# KiCad board oibus-mini-CCC_PANEL.kicad_pcb (continued)
## Routing (per net, layer and track width the routed paths; a pad name or vN(x,y) marks a point on that pad's centre or on a via; arc(x,y) is an arc through that point) (continued)
  Bottom w0.2: v2(59.2,27.81) 58.6,27.21 58.6,25.47 58.68,25.39 58.68,23.97 v2(58.98,23.67) ; v2(96.2,27.81) 95.6,27.21 95.6,25.47 95.68,25.39 95.68,23.97 v2(95.98,23.67) ; v2(133.2,27.81) 132.6,27.21 132.6,25.47 132.68,25.39 132.68,23.97 v2(132.98,23.67) ; v2(169.98,23.67) 169.68,23.97 169.68,25.39 169.6,25.47 169.6,27.21 v2(170.2,27.81) ; v2(207.2,27.81) 206.6,27.21 206.6,25.47 206.68,25.39 206.68,23.97 v2(206.98,23.67) ; v2(243.98,23.67) 243.68,23.97 243.68,25.39 243.6,25.47 243.6,27.21 v2(244.2,27.81) ; v2(281.2,27.81) 280.6,27.21 280.6,25.47 280.68,25.39 280.68,23.97 v2(280.98,23.67) ; v2(22.2,93.81) 21.6,93.21 21.6,91.47 21.68,91.39 21.68,89.97 v2(21.98,89.67) ; v2(59.2,93.81) 58.6,93.21 58.6,91.47 58.68,91.39 58.68,89.97 v2(58.98,89.67) ; v2(95.98,89.67) 95.68,89.97 95.68,91.39 95.6,91.47 95.6,93.21 v2(96.2,93.81) ; v2(133.2,93.81) 132.6,93.21 132.6,91.47 132.68,91.39 132.68,89.97 v2(132.98,89.67) ; v2(169.98,89.67) 169.68,89.97 169.68,91.39 169.6,91.47 169.6,93.21 v2(170.2,93.81) ; v2(207.2,93.81) 206.6,93.21 206.6,91.47 206.68,91.39 206.68,89.97 v2(206.98,89.67) ; v2(281.2,93.81) 280.6,93.21 280.6,91.47 280.68,91.39 280.68,89.97 v2(280.98,89.67) ; v2(243.98,89.67) 243.68,89.97 243.68,91.39 243.6,91.47 243.6,93.21 v2(244.2,93.81) ; v2(22.2,225.81) 21.6,225.21 21.6,223.47 21.68,223.39 21.68,221.97 v2(21.98,221.67) ; v2(59.2,225.81) 58.6,225.21 58.6,223.47 58.68,223.39 58.68,221.97 v2(58.98,221.67) ; v2(95.98,221.67) 95.68,221.97 95.68,223.39 95.6,223.47 95.6,225.21 v2(96.2,225.81) ; v2(133.2,225.81) 132.6,225.21 132.6,223.47 132.68,223.39 132.68,221.97 v2(132.98,221.67) ; v2(22.2,159.81) 21.6,159.21 21.6,157.47 21.68,157.39 21.68,155.97 v2(21.98,155.67) ; v2(59.2,159.81) 58.6,159.21 58.6,157.47 58.68,157.39 58.68,155.97 v2(58.98,155.67) ; v2(95.98,155.67) 95.68,155.97 95.68,157.39 95.6,157.47 95.6,159.21 v2(96.2,159.81) ; v2(133.2,159.81) 132.6,159.21 132.6,157.47 132.68,157.39 132.68,155.97 v2(132.98,155.67) ; v2(169.98,155.67) 169.68,155.97 169.68,157.39 169.6,157.47 169.6,159.21 v2(170.2,159.81) ; v2(207.2,159.81) 206.6,159.21 206.6,157.47 206.68,157.39 206.68,155.97 v2(206.98,155.67) ; v2(281.2,159.81) 280.6,159.21 280.6,157.47 280.68,157.39 280.68,155.97 v2(280.98,155.67) ; v2(243.98,155.67) 243.68,155.97 243.68,157.39 243.6,157.47 243.6,159.21 v2(244.2,159.81) ; v2(207.2,225.81) 206.6,225.21 206.6,223.47 206.68,223.39 206.68,221.97 v2(206.98,221.67) ; v2(169.98,221.67) 169.68,221.97 169.68,223.39 169.6,223.47 169.6,225.21 v2(170.2,225.81) ; v2(243.98,221.67) 243.68,221.97 243.68,223.39 243.6,223.47 243.6,225.21 v2(244.2,225.81) ; v2(281.2,225.81) 280.6,225.21 280.6,223.47 280.68,223.39 280.68,221.97 v2(280.98,221.67) ; v2(22.2,27.81) 21.6,27.21 21.6,25.47 21.68,25.39 21.68,23.97 v2(21.98,23.67)
/VIN: length 1603.2
  Top w0.2: U1#2.3 64.78,18.81 64.28,19.31 63.3,19.31 62.88,18.88 U1#2.1 ; U1#3.3 101.78,18.81 101.28,19.31 100.3,19.31 99.88,18.88 U1#3.1 ; U1#4.3 138.78,18.81 138.28,19.31 137.3,19.31 136.88,18.88 U1#4.1 ; U1#5.1 173.88,18.88 174.3,19.31 175.28,19.31 175.78,18.81 U1#5.3 ; U1#6.3 212.78,18.81 212.28,19.31 211.3,19.31 210.88,18.88 U1#6.1 ; U1#8.1 247.88,18.88 248.3,19.31 249.28,19.31 249.78,18.81 U1#8.3 ; U1#7.3 286.78,18.81 286.28,19.31 285.3,19.31 284.88,18.88 U1#7.1 ; U1#9.3 27.78,84.81 27.28,85.31 26.3,85.31 25.88,84.88 U1#9.1 ; U1#11.1 99.88,84.88 100.3,85.31 101.28,85.31 101.78,84.81 U1#11.3 ; U1#13.3 64.78,84.81 64.28,85.31 63.3,85.31 62.88,84.88 U1#13.1 ; U1#12.3 138.78,84.81 138.28,85.31 137.3,85.31 136.88,84.88 U1#12.1 ; U1#14.1 173.88,84.88 174.3,85.31 175.28,85.31 175.78,84.81 U1#14.3 ; U1#10.3 212.78,84.81 212.28,85.31 211.3,85.31 210.88,84.88 U1#10.1 ; U1#16.1 247.88,84.88 248.3,85.31 249.28,85.31 249.78,84.81 U1#16.3 ; U1#15.3 286.78,84.81 286.28,85.31 285.3,85.31 284.88,84.88 U1#15.1 ; U1#24.3 27.78,216.81 27.28,217.31 26.3,217.31 25.88,216.88 U1#24.1 ; U1#27.1 99.88,216.88 100.3,217.31 101.28,217.31 101.78,216.81 U1#27.3 ; U1#28.3 138.78,216.81 138.28,217.31 137.3,217.31 136.88,216.88 U1#28.1 ; U1#29.3 64.78,216.81 64.28,217.31 63.3,217.31 62.88,216.88 U1#29.1 ; U1#17.3 27.78,150.81 27.28,151.31 26.3,151.31 25.88,150.88 U1#17.1 ; U1#19.1 99.88,150.88 100.3,151.31 101.28,151.31 101.78,150.81 U1#19.3 ; U1#21.3 64.78,150.81 64.28,151.31 63.3,151.31 62.88,150.88 U1#21.1 ; U1#20.3 138.78,150.81 138.28,151.31 137.3,151.31 136.88,150.88 U1#20.1 ; U1#22.1 173.88,150.88 174.3,151.31 175.28,151.31 175.78,150.81 U1#22.3 ; U1#18.3 212.78,150.81 212.28,151.31 211.3,151.31 210.88,150.88 U1#18.1 ; U1#25.1 247.88,150.88 248.3,151.31 249.28,151.31 249.78,150.81 U1#25.3 ; U1#23.3 286.78,150.81 286.28,151.31 285.3,151.31 284.88,150.88 U1#23.1 ; U1#26.3 212.78,216.81 212.28,217.31 211.3,217.31 210.88,216.88 U1#26.1 ; U1#30.1 173.88,216.88 174.3,217.31 175.28,217.31 175.78,216.81 U1#30.3 ; U1#32.1 247.88,216.88 248.3,217.31 249.28,217.31 249.78,216.81 U1#32.3 ; U1#31.3 286.78,216.81 286.28,217.31 285.3,217.31 284.88,216.88 U1#31.1 ; U1.3 27.78,18.81 27.28,19.31 26.3,19.31 25.88,18.88 U1.1
  Top w0.5: 54.3,17.85 53.75,18.4 U5#2.6 ; C1#2.2 62.88,16.35 U1#2.1 ; 91.3,17.85 90.75,18.4 U5#3.6 ; C1#3.2 99.88,16.35 U1#3.1 ; 128.3,17.85 127.75,18.4 U5#4.6 ; C1#4.2 136.88,16.35 U1#4.1 ; U1#5.1 173.88,16.35 C1#6.2 ; U5#5.6 164.75,18.4 165.3,17.85 ; 202.3,17.85 201.75,18.4 U5#6.6 ; C1#5.2 210.88,16.35 U1#6.1 ; 276.3,17.85 275.75,18.4 U5#7.6 ; C1#8.2 284.88,16.35 U1#7.1 ; U1#8.1 247.88,16.35 C1#7.2 ; U5#8.6 238.75,18.4 239.3,17.85 ; 17.3,83.85 16.75,84.4 U5#9.6 ; C1#10.2 25.88,82.35 U1#9.1 ; U1#11.1 99.88,82.35 C1#12.2 ; U5#11.6 90.75,84.4 91.3,83.85 ; 54.3,83.85 53.75,84.4 U5#13.6 ; C1#13.2 62.88,82.35 U1#13.1 ; 128.3,83.85 127.75,84.4 U5#12.6 ; C1#11.2 136.88,82.35 U1#12.1 ; 202.3,83.85 201.75,84.4 U5#10.6 ; C1#14.2 210.88,82.35 U1#10.1 ; U1#14.1 173.88,82.35 C1#9.2 ; U5#14.6 164.75,84.4 165.3,83.85 ; U1#16.1 247.88,82.35 C1#15.2 ; U5#16.6 238.75,84.4 239.3,83.85 ; 276.3,83.85 275.75,84.4 U5#15.6 ; C1#16.2 284.88,82.35 U1#15.1 ; 17.3,215.85 16.75,216.4 U5#24.6 ; C1#25.2 25.88,214.35 U1#24.1 ; 54.3,215.85 53.75,216.4 U5#29.6 ; C1#28.2 99.88,214.35 U1#27.1 ; U5#27.6 90.75,216.4 91.3,215.85 ; 128.3,215.85 127.75,216.4 U5#28.6 ; C1#27.2 136.88,214.35 U1#28.1 ; C1#29.2 62.88,214.35 U1#29.1 ; 17.3,149.85 16.75,150.4 U5#17.6 ; C1#18.2 25.88,148.35 U1#17.1 ; U1#19.1 99.88,148.35 C1#20.2 ; U5#19.6 90.75,150.4 91.3,149.85 ; 54.3,149.85 53.75,150.4 U5#21.6 ; C1#21.2 62.88,148.35 U1#21.1 ; 128.3,149.85 127.75,150.4 U5#20.6 ; C1#19.2 136.88,148.35 U1#20.1 ; 202.3,149.85 201.75,150.4 U5#18.6 ; C1#22.2 210.88,148.35 U1#18.1 ; U1#22.1 173.88,148.35 C1#17.2 ; U5#22.6 164.75,150.4 165.3,149.85 ; U1#25.1 247.88,148.35 C1#23.2 ; U5#25.6 238.75,150.4 239.3,149.85 ; 276.3,149.85 275.75,150.4 U5#23.6 ; C1#26.2 284.88,148.35 U1#23.1 ; 202.3,215.85 201.75,216.4 U5#26.6 ; C1#30.2 210.88,214.35 U1#26.1 ; U1#30.1 173.88,214.35 C1#24.2 ; U5#30.6 164.75,216.4 165.3,215.85 ; 276.3,215.85 275.75,216.4 U5#31.6 ; C1#32.2 284.88,214.35 U1#31.1 ; U1#32.1 247.88,214.35 C1#31.2 ; U5#32.6 238.75,216.4 239.3,215.85 ; C1.2 25.88,16.35 U1.1 ; 17.3,17.85 16.75,18.4 U5.6
  Top w0.6: v4(67.4,15.41) 66.7,15.41 66.18,14.88 62.58,14.88 62.51,14.81 v4(61.8,14.81) ; v4(104.4,15.41) 103.7,15.41 103.18,14.88 99.58,14.88 99.51,14.81 v4(98.8,14.81) ; v4(141.4,15.41) 140.7,15.41 140.18,14.88 136.58,14.88 136.51,14.81 v4(135.8,14.81) ; v4(178.4,15.41) 177.7,15.41 177.18,14.88 173.58,14.88 173.51,14.81 v4(172.8,14.81) ; v4(215.4,15.41) 214.7,15.41 214.18,14.88 210.58,14.88 210.51,14.81 v4(209.8,14.81) ; v4(289.4,15.41) 288.7,15.41 288.18,14.88 284.58,14.88 284.51,14.81 v4(283.8,14.81) ; v4(252.4,15.41) 251.7,15.41 251.18,14.88 247.58,14.88 247.51,14.81 v4(246.8,14.81) ; v4(30.4,81.41) 29.7,81.41 29.18,80.88 25.58,80.88 25.51,80.81 v4(24.8,80.81) ; v4(104.4,81.41) 103.7,81.41 103.18,80.88 99.58,80.88 99.51,80.81 v4(98.8,80.81) ; v4(67.4,81.41) 66.7,81.41 66.18,80.88 62.58,80.88 62.51,80.81 v4(61.8,80.81) ; v4(141.4,81.41) 140.7,81.41 140.18,80.88 136.58,80.88 136.51,80.81 v4(135.8,80.81) ; v4(215.4,81.41) 214.7,81.41 214.18,80.88 210.58,80.88 210.51,80.81 v4(209.8,80.81) ; v4(178.4,81.41) 177.7,81.41 177.18,80.88 173.58,80.88 173.51,80.81 v4(172.8,80.81) ; v4(252.4,81.41) 251.7,81.41 251.18,80.88 247.58,80.88 247.51,80.81 v4(246.8,80.81) ; v4(289.4,81.41) 288.7,81.41 288.18,80.88 284.58,80.88 284.51,80.81 v4(283.8,80.81) ; v4(30.4,213.41) 29.7,213.41 29.18,212.88 25.58,212.88 25.51,212.81 v4(24.8,212.81) ; v4(104.4,213.41) 103.7,213.41 103.18,212.88 99.58,212.88 99.51,212.81 v4(98.8,212.81) ; v4(141.4,213.41) 140.7,213.41 140.18,212.88 136.58,212.88 136.51,212.81 v4(135.8,212.81) ; v4(67.4,213.41) 66.7,213.41 66.18,212.88 62.58,212.88 62.51,212.81 v4(61.8,212.81) ; v4(30.4,147.41) 29.7,147.41 29.18,146.88 25.58,146.88 25.51,146.81 v4(24.8,146.81) ; v4(104.4,147.41) 103.7,147.41 103.18,146.88 99.58,146.88 99.51,146.81 v4(98.8,146.81) ; v4(67.4,147.41) 66.7,147.41 66.18,146.88 62.58,146.88 62.51,146.81 v4(61.8,146.81) ; v4(141.4,147.41) 140.7,147.41 140.18,146.88 136.58,146.88 136.51,146.81 v4(135.8,146.81) ; v4(215.4,147.41) 214.7,147.41 214.18,146.88 210.58,146.88 210.51,146.81 v4(209.8,146.81) ; v4(178.4,147.41) 177.7,147.41 177.18,146.88 173.58,146.88 173.51,146.81 v4(172.8,146.81) ; v4(252.4,147.41) 251.7,147.41 251.18,146.88 247.58,146.88 247.51,146.81 v4(246.8,146.81) ; v4(289.4,147.41) 288.7,147.41 288.18,146.88 284.58,146.88 284.51,146.81 v4(283.8,146.81) ; v4(215.4,213.41) 214.7,213.41 214.18,212.88 210.58,212.88 210.51,212.81 v4(209.8,212.81) ; v4(178.4,213.41) 177.7,213.41 177.18,212.88 173.58,212.88 173.51,212.81 v4(172.8,212.81) ; v4(289.4,213.41) 288.7,213.41 288.18,212.88 284.58,212.88 284.51,212.81 v4(283.8,212.81) ; v4(252.4,213.41) 251.7,213.41 251.18,212.88 247.58,212.88 247.51,212.81 v4(246.8,212.81) ; v4(30.4,15.41) 29.7,15.41 29.18,14.88 25.58,14.88 25.51,14.81 v4(24.8,14.81)
  Top w0.8: 56.24,17.85 57.05,18.66 L1#2.1 ; 56.24,17.85 54.3,17.85 ; 56.24,17.85 56.24,15.85 v4(55.9,15.51) ; C1#2.2 61.8,15 v4(61.8,14.81) ; C2#2.1 68.19,4.11 69,4.92 R21#2.2 68.46,7.26 68.4,7.26 67.92,7.74 67.92,7.8 67.9,7.82 v4(67.9,9.41) ; C2#2.1 65.55,3.21 Q1#2.3 ; C2#2.1 67.9,3.21 D1#2.1 ; 93.24,17.85 94.05,18.66 L1#3.1 ; 93.24,17.85 91.3,17.85 ; 93.24,17.85 93.24,15.85 v4(92.9,15.51) ; C1#3.2 98.8,15 v4(98.8,14.81) ; C2#4.1 105.19,4.11 106,4.92 R21#3.2 105.46,7.26 105.4,7.26 104.92,7.74 104.92,7.8 104.9,7.82 v4(104.9,9.41) ; C2#4.1 102.55,3.21 Q1#3.3 ; C2#4.1 104.9,3.21 D1#3.1 ; 130.24,17.85 131.05,18.66 L1#4.1 ; 130.24,17.85 128.3,17.85 ; 130.24,17.85 130.24,15.85 v4(129.9,15.51) ; C1#4.2 135.8,15 v4(135.8,14.81) ; C2#3.1 142.19,4.11 143,4.92 R21#4.2 142.46,7.26 142.4,7.26 141.92,7.74 141.92,7.8 141.9,7.82 v4(141.9,9.41) ; C2#3.1 139.55,3.21 Q1#4.3 ; C2#3.1 141.9,3.21 D1#4.1 ; C2#6.1 179.19,4.11 180,4.92 R21#5.2 179.46,7.26 179.4,7.26 178.92,7.74 178.92,7.8 178.9,7.82 v4(178.9,9.41) ; C2#6.1 176.55,3.21 Q1#6.3 ; C2#6.1 178.9,3.21 D1#5.1 ; L1#6.1 168.05,18.66 167.24,17.85 ; v4(172.8,14.81) 172.8,15 C1#6.2 ; 167.24,17.85 165.3,17.85 ; 167.24,17.85 167.24,15.85 v4(166.9,15.51) ; 204.24,17.85 204.24,15.85 v4(203.9,15.51) ; 204.24,17.85 205.05,18.66 L1#5.1 ; 204.24,17.85 202.3,17.85 ; C1#5.2 209.8,15 v4(209.8,14.81) ; C2#5.1 216.19,4.11 217,4.92 R21#6.2 216.46,7.26 216.4,7.26 215.92,7.74 215.92,7.8 215.9,7.82 v4(215.9,9.41) ; C2#5.1 213.55,3.21 Q1#5.3 ; C2#5.1 215.9,3.21 D1#6.1 ; C2#8.1 253.19,4.11 254,4.92 R21#8.2 253.46,7.26 253.4,7.26 252.92,7.74 252.92,7.8 252.9,7.82 v4(252.9,9.41) ; C2#8.1 250.55,3.21 Q1#8.3 ; C2#8.1 252.9,3.21 D1#8.1 ; 278.24,17.85 279.05,18.66 L1#7.1 ; 278.24,17.85 276.3,17.85 ; 278.24,17.85 278.24,15.85 v4(277.9,15.51) ; C1#8.2 283.8,15 v4(283.8,14.81) ; C2#7.1 290.19,4.11 291,4.92 R21#7.2 290.46,7.26 290.4,7.26 289.92,7.74 289.92,7.8 289.9,7.82 v4(289.9,9.41) ; C2#7.1 287.55,3.21 Q1#7.3 ; C2#7.1 289.9,3.21 D1#7.1 ; L1#8.1 242.05,18.66 241.24,17.85 ; v4(246.8,14.81) 246.8,15 C1#7.2 ; 241.24,17.85 239.3,17.85 ; 241.24,17.85 241.24,15.85 v4(240.9,15.51) ; 19.24,83.85 20.05,84.66 L1#9.1 ; 19.24,83.85 17.3,83.85 ; 19.24,83.85 19.24,81.85 v4(18.9,81.51) ; C1#10.2 24.8,81 v4(24.8,80.81) ; C2#10.1 31.19,70.11 32,70.92 R21#9.2 31.46,73.26 31.4,73.26 30.92,73.74 30.92,73.8 30.9,73.82 v4(30.9,75.41) ; C2#10.1 28.55,69.21 Q1#9.3 ; C2#10.1 30.9,69.21 D1#9.1 ; C2#14.1 105.19,70.11 106,70.92 R21#11.2 105.46,73.26 105.4,73.26 104.92,73.74 104.92,73.8 104.9,73.82 v4(104.9,75.41) ; C2#14.1 102.55,69.21 Q1#11.3 ; C2#14.1 104.9,69.21 D1#11.1 ; L1#11.1 94.05,84.66 93.24,83.85 ; v4(98.8,80.81) 98.8,81 C1#12.2 ; 93.24,83.85 91.3,83.85 ; 93.24,83.85 93.24,81.85 v4(92.9,81.51) ; 56.24,83.85 57.05,84.66 L1#12.1 ; 56.24,83.85 54.3,83.85 ; 56.24,83.85 56.24,81.85 v4(55.9,81.51) ; C1#13.2 61.8,81 v4(61.8,80.81) ; C2#9.1 68.19,70.11 69,70.92 R21#13.2 68.46,73.26 68.4,73.26 67.92,73.74 67.92,73.8 67.9,73.82 v4(67.9,75.41) ; C2#9.1 65.55,69.21 Q1#12.3 ; C2#9.1 67.9,69.21 D1#13.1 ; 130.24,83.85 130.24,81.85 v4(129.9,81.51) ; 130.24,83.85 131.05,84.66 L1#10.1 ; 130.24,83.85 128.3,83.85 ; C1#11.2 135.8,81 v4(135.8,80.81) ; C2#13.1 142.19,70.11 143,70.92 R21#12.2 142.46,73.26 142.4,73.26 141.92,73.74 141.92,73.8 141.9,73.82 v4(141.9,75.41) ; C2#13.1 139.55,69.21 Q1#10.3 ; C2#13.1 141.9,69.21 D1#12.1 ; C2#12.1 179.19,70.11 180,70.92 R21#14.2 179.46,73.26 179.4,73.26 178.92,73.74 178.92,73.8 178.9,73.82 v4(178.9,75.41) ; C2#12.1 176.55,69.21 Q1#14.3 ; C2#12.1 178.9,69.21 D1#14.1 ; 204.24,83.85 205.05,84.66 L1#13.1 ; 204.24,83.85 202.3,83.85 ; 204.24,83.85 204.24,81.85 v4(203.9,81.51) ; C1#14.2 209.8,81 v4(209.8,80.81) ; C2#11.1 216.19,70.11 217,70.92 R21#10.2 216.46,73.26 216.4,73.26 215.92,73.74 215.92,73.8 215.9,73.82 v4(215.9,75.41) ; C2#11.1 213.55,69.21 Q1#13.3 ; C2#11.1 215.9,69.21 D1#10.1 ; L1#14.1 168.05,84.66 167.24,83.85 ; v4(172.8,80.81) 172.8,81 C1#9.2 ; 167.24,83.85 165.3,83.85 ; 167.24,83.85 167.24,81.85 v4(166.9,81.51) ; 278.24,83.85 279.05,84.66 L1#15.1 ; 278.24,83.85 276.3,83.85 ; 278.24,83.85 278.24,81.85 v4(277.9,81.51) ; C2#16.1 253.19,70.11 254,70.92 R21#16.2 253.46,73.26 253.4,73.26 252.92,73.74 252.92,73.8 252.9,73.82 v4(252.9,75.41) ; C2#16.1 250.55,69.21 Q1#16.3 ; C2#16.1 252.9,69.21 D1#16.1 ; L1#16.1 242.05,84.66 241.24,83.85 ; v4(246.8,80.81) 246.8,81 C1#15.2 ; 241.24,83.85 239.3,83.85 ; 241.24,83.85 241.24,81.85 v4(240.9,81.51) ; C1#16.2 283.8,81 v4(283.8,80.81) ; C2#15.1 290.19,70.11 291,70.92 R21#15.2 290.46,73.26 290.4,73.26 289.92,73.74 289.92,73.8 289.9,73.82 v4(289.9,75.41) ; C2#15.1 287.55,69.21 Q1#15.3 ; C2#15.1 289.9,69.21 D1#15.1 ; 19.24,215.85 20.05,216.66 L1#23.1 ; 19.24,215.85 17.3,215.85 ; 19.24,215.85 19.24,213.85 v4(18.9,213.51) ; C1#25.2 24.8,213 v4(24.8,212.81) ; C2#24.1 31.19,202.11 32,202.92 R21#23.2 31.46,205.26 31.4,205.26 30.92,205.74 30.92,205.8 30.9,205.82 v4(30.9,207.41) ; C2#24.1 28.55,201.21 Q1#23.3 ; C2#24.1 30.9,201.21 D1#23.1 ; v4(104.9,207.41) 104.9,205.82 104.92,205.8 104.92,205.74 105.4,205.26 105.46,205.26 R21#27.2 106,202.92 105.19,202.11 C2#30.1 ; C2#30.1 102.55,201.21 Q1#27.3 ; C2#30.1 104.9,201.21 D1#27.1 ; 56.24,215.85 57.05,216.66 L1#28.1 ; 56.24,215.85 54.3,215.85 ; 56.24,215.85 56.24,213.85 v4(55.9,213.51) ; C1#29.2 61.8,213 v4(61.8,212.81) ; v4(98.8,212.81) 98.8,213 C1#28.2 ; 93.24,215.85 94.05,216.66 L1#27.1 ; 93.24,215.85 91.3,215.85 ; 93.24,215.85 93.24,213.85 v4(92.9,213.51) ; 130.24,215.85 131.05,216.66 L1#26.1 ; 130.24,215.85 128.3,215.85 ; 130.24,215.85 130.24,213.85 v4(129.9,213.51) ; C1#27.2 135.8,213 v4(135.8,212.81) ; C2#29.1 142.19,202.11 143,202.92 R21#28.2 142.46,205.26 142.4,205.26 141.92,205.74 141.92,205.8 141.9,205.82 v4(141.9,207.41) ; C2#29.1 139.55,201.21 Q1#26.3 ; C2#29.1 141.9,201.21 D1#28.1 ; C2#23.1 68.19,202.11 69,202.92 R21#29.2 68.46,205.26 68.4,205.26 67.92,205.74 67.92,205.8 67.9,205.82 v4(67.9,207.41) ; C2#23.1 65.55,201.21 Q1#28.3 ; C2#23.1 67.9,201.21 D1#29.1 ; 19.24,149.85 20.05,150.66 L1#17.1 ; 19.24,149.85 17.3,149.85 ; 19.24,149.85 19.24,147.85 v4(18.9,147.51) ; C1#18.2 24.8,147 v4(24.8,146.81) ; C2#18.1 31.19,136.11 32,136.92 R21#17.2 31.46,139.26 31.4,139.26 30.92,139.74 30.92,139.8 30.9,139.82 v4(30.9,141.41) ; C2#18.1 28.55,135.21 Q1#17.3 ; C2#18.1 30.9,135.21 D1#17.1 ; C2#22.1 105.19,136.11 106,136.92 R21#19.2 105.46,139.26 105.4,139.26 104.92,139.74 104.92,139.8 104.9,139.82 v4(104.9,141.41) ; C2#22.1 102.55,135.21 Q1#19.3 ; C2#22.1 104.9,135.21 D1#19.1 ; L1#19.1 94.05,150.66 93.24,149.85 ; v4(98.8,146.81) 98.8,147 C1#20.2 ; 93.24,149.85 91.3,149.85 ; 93.24,149.85 93.24,147.85 v4(92.9,147.51) ; 56.24,149.85 57.05,150.66 L1#20.1 ; 56.24,149.85 54.3,149.85 ; 56.24,149.85 56.24,147.85 v4(55.9,147.51) ; C1#21.2 61.8,147 v4(61.8,146.81) ; C2#17.1 68.19,136.11 69,136.92 R21#21.2 68.46,139.26 68.4,139.26 67.92,139.74 67.92,139.8 67.9,139.82 v4(67.9,141.41) ; C2#17.1 65.55,135.21 Q1#20.3 ; C2#17.1 67.9,135.21 D1#21.1 ; 130.24,149.85 130.24,147.85 v4(129.9,147.51) ; 130.24,149.85 131.05,150.66 L1#18.1 ; 130.24,149.85 128.3,149.85 ; C1#19.2 135.8,147 v4(135.8,146.81) ; C2#21.1 142.19,136.11 143,136.92 R21#20.2 142.46,139.26 142.4,139.26 141.92,139.74 141.92,139.8 141.9,139.82 v4(141.9,141.41) ; C2#21.1 139.55,135.21 Q1#18.3 ; C2#21.1 141.9,135.21 D1#20.1 ; C2#20.1 179.19,136.11 180,136.92 R21#22.2 179.46,139.26 179.4,139.26 178.92,139.74 178.92,139.8 178.9,139.82 v4(178.9,141.41) ; C2#20.1 176.55,135.21 Q1#22.3 ; C2#20.1 178.9,135.21 D1#22.1 ; 204.24,149.85 205.05,150.66 L1#21.1 ; 204.24,149.85 202.3,149.85 ; 204.24,149.85 204.24,147.85 v4(203.9,147.51) ; C1#22.2 209.8,147 v4(209.8,146.81) ; C2#19.1 216.19,136.11 217,136.92 R21#18.2 216.46,139.26 216.4,139.26 215.92,139.74 215.92,139.8 215.9,139.82 v4(215.9,141.41) ; C2#19.1 213.55,135.21 Q1#21.3 ; C2#19.1 215.9,135.21 D1#18.1 ; L1#22.1 168.05,150.66 167.24,149.85 ; v4(172.8,146.81) 172.8,147 C1#17.2 ; 167.24,149.85 165.3,149.85 ; 167.24,149.85 167.24,147.85 v4(166.9,147.51) ; 278.24,149.85 279.05,150.66 L1#24.1 ; 278.24,149.85 276.3,149.85 ; 278.24,149.85 278.24,147.85 v4(277.9,147.51) ; C2#26.1 253.19,136.11 254,136.92 R21#25.2 253.46,139.26 253.4,139.26 252.92,139.74 252.92,139.8 252.9,139.82 v4(252.9,141.41) ; C2#26.1 250.55,135.21 Q1#25.3 ; C2#26.1 252.9,135.21 D1#25.1 ; L1#25.1 242.05,150.66 241.24,149.85 ; v4(246.8,146.81) 246.8,147 C1#23.2 ; 241.24,149.85 239.3,149.85 ; 241.24,149.85 241.24,147.85 v4(240.9,147.51) ; C1#26.2 283.8,147 v4(283.8,146.81) ; C2#25.1 290.19,136.11 291,136.92 R21#24.2 290.46,139.26 290.4,139.26 289.92,139.74 289.92,139.8 289.9,139.82 v4(289.9,141.41) ; C2#25.1 287.55,135.21 Q1#24.3 ; C2#25.1 289.9,135.21 D1#24.1 ; 204.24,215.85 204.24,213.85 v4(203.9,213.51) ; 204.24,215.85 205.05,216.66 L1#29.1 ; 204.24,215.85 202.3,215.85 ; C1#30.2 209.8,213 v4(209.8,212.81) ; C2#27.1 216.19,202.11 217,202.92 R21#26.2 216.46,205.26 216.4,205.26 215.92,205.74 215.92,205.8 215.9,205.82 v4(215.9,207.41) ; C2#27.1 213.55,201.21 Q1#29.3 ; C2#27.1 215.9,201.21 D1#26.1 ; C2#28.1 179.19,202.11 180,202.92 R21#30.2 179.46,205.26 179.4,205.26 178.92,205.74 178.92,205.8 178.9,205.82 v4(178.9,207.41) ; C2#28.1 176.55,201.21 Q1#30.3 ; C2#28.1 178.9,201.21 D1#30.1 ; L1#30.1 168.05,216.66 167.24,215.85 ; v4(172.8,212.81) 172.8,213 C1#24.2 ; 167.24,215.85 165.3,215.85 ; 167.24,215.85 167.24,213.85 v4(166.9,213.51) ; C2#32.1 253.19,202.11 254,202.92 R21#32.2 253.46,205.26 253.4,205.26 252.92,205.74 252.92,205.8 252.9,205.82 v4(252.9,207.41) ; C2#32.1 250.55,201.21 Q1#32.3 ; C2#32.1 252.9,201.21 D1#32.1 ; 278.24,215.85 279.05,216.66 L1#31.1 ; 278.24,215.85 276.3,215.85 ; 278.24,215.85 278.24,213.85 v4(277.9,213.51) ; C1#32.2 283.8,213 v4(283.8,212.81) ; C2#31.1 290.19,202.11 291,202.92 R21#31.2 290.46,205.26 290.4,205.26 289.92,205.74 289.92,205.8 289.9,205.82 v4(289.9,207.41) ; C2#31.1 287.55,201.21 Q1#31.3 ; C2#31.1 289.9,201.21 D1#31.1 ; L1#32.1 242.05,216.66 241.24,215.85 ; v4(246.8,212.81) 246.8,213 C1#31.2 ; 241.24,215.85 239.3,215.85 ; 241.24,215.85 241.24,213.85 v4(240.9,213.51) ; v4(24.8,14.81) 24.8,15 C1.2 ; D1.1 30.9,3.21 C2.1 ; 19.24,17.85 20.05,18.66 L1.1 ; 19.24,17.85 17.3,17.85 ; 19.24,17.85 19.24,15.85 v4(18.9,15.51) ; C2.1 28.55,3.21 Q1.3 ; C2.1 31.19,4.11 32,4.92 R21.2 31.46,7.26 31.4,7.26 30.92,7.74 30.92,7.8 30.9,7.82 v4(30.9,9.41)
  Bottom w0.6: v4(67.4,15.41) 67.8,15.01 67.8,9.51 v4(67.9,9.41) ; v4(104.4,15.41) 104.8,15.01 104.8,9.51 v4(104.9,9.41) ; v4(141.4,15.41) 141.8,15.01 141.8,9.51 v4(141.9,9.41) ; v4(178.9,9.41) 178.8,9.51 178.8,15.01 v4(178.4,15.41) ; v4(215.4,15.41) 215.8,15.01 215.8,9.51 v4(215.9,9.41) ; v4(252.9,9.41) 252.8,9.51 252.8,15.01 v4(252.4,15.41) ; v4(289.4,15.41) 289.8,15.01 289.8,9.51 v4(289.9,9.41) ; v4(30.4,81.41) 30.8,81.01 30.8,75.51 v4(30.9,75.41) ; v4(104.9,75.41) 104.8,75.51 104.8,81.01 v4(104.4,81.41) ; v4(67.4,81.41) 67.8,81.01 67.8,75.51 v4(67.9,75.41) ; v4(141.4,81.41) 141.8,81.01 141.8,75.51 v4(141.9,75.41) ; v4(178.9,75.41) 178.8,75.51 178.8,81.01 v4(178.4,81.41) ; v4(215.4,81.41) 215.8,81.01 215.8,75.51 v4(215.9,75.41) ; v4(252.9,75.41) 252.8,75.51 252.8,81.01 v4(252.4,81.41) ; v4(289.4,81.41) 289.8,81.01 289.8,75.51 v4(289.9,75.41) ; v4(30.4,213.41) 30.8,213.01 30.8,207.51 v4(30.9,207.41) ; v4(104.9,207.41) 104.8,207.51 104.8,213.01 v4(104.4,213.41) ; v4(141.4,213.41) 141.8,213.01 141.8,207.51 v4(141.9,207.41) ; v4(67.4,213.41) 67.8,213.01 67.8,207.51 v4(67.9,207.41) ; v4(30.4,147.41) 30.8,147.01 30.8,141.51 v4(30.9,141.41) ; v4(104.9,141.41) 104.8,141.51 104.8,147.01 v4(104.4,147.41) ; v4(67.4,147.41) 67.8,147.01 67.8,141.51 v4(67.9,141.41) ; v4(141.4,147.41) 141.8,147.01 141.8,141.51 v4(141.9,141.41) ; v4(178.9,141.41) 178.8,141.51 178.8,147.01 v4(178.4,147.41) ; v4(215.4,147.41) 215.8,147.01 215.8,141.51 v4(215.9,141.41) ; v4(252.9,141.41) 252.8,141.51 252.8,147.01 v4(252.4,147.41) ; v4(289.4,147.41) 289.8,147.01 289.8,141.51 v4(289.9,141.41) ; v4(215.4,213.41) 215.8,213.01 215.8,207.51 v4(215.9,207.41) ; v4(178.9,207.41) 178.8,207.51 178.8,213.01 v4(178.4,213.41) ; v4(252.9,207.41) 252.8,207.51 252.8,213.01 v4(252.4,213.41) ; v4(289.4,213.41) 289.8,213.01 289.8,207.51 v4(289.9,207.41) ; v4(30.9,9.41) 30.8,9.51 30.8,15.01 v4(30.4,15.41)
  Bottom w0.8: v4(55.9,15.51) 55.9,14.8 57.51,14.8 57.52,14.81 v4(61.8,14.81) ; v4(92.9,15.51) 92.9,14.8 94.51,14.8 94.52,14.81 v4(98.8,14.81) ; v4(129.9,15.51) 129.9,14.8 131.51,14.8 131.52,14.81 v4(135.8,14.81) ; v4(172.8,14.81) 168.52,14.81 168.51,14.8 166.9,14.8 v4(166.9,15.51) ; v4(203.9,15.51) 203.9,14.8 205.51,14.8 205.52,14.81 v4(209.8,14.81) ; v4(277.9,15.51) 277.9,14.8 279.51,14.8 279.52,14.81 v4(283.8,14.81) ; v4(246.8,14.81) 242.52,14.81 242.51,14.8 240.9,14.8 v4(240.9,15.51) ; v4(18.9,81.51) 18.9,80.8 20.51,80.8 20.52,80.81 v4(24.8,80.81) ; v4(98.8,80.81) 94.52,80.81 94.51,80.8 92.9,80.8 v4(92.9,81.51) ; v4(55.9,81.51) 55.9,80.8 57.51,80.8 57.52,80.81 v4(61.8,80.81) ; v4(129.9,81.51) 129.9,80.8 131.51,80.8 131.52,80.81 v4(135.8,80.81) ; v4(203.9,81.51) 203.9,80.8 205.51,80.8 205.52,80.81 v4(209.8,80.81) ; v4(172.8,80.81) 168.52,80.81 168.51,80.8 166.9,80.8 v4(166.9,81.51) ; v4(246.8,80.81) 242.52,80.81 242.51,80.8 240.9,80.8 v4(240.9,81.51) ; v4(277.9,81.51) 277.9,80.8 279.51,80.8 279.52,80.81 v4(283.8,80.81) ; v4(18.9,213.51) 18.9,212.8 20.51,212.8 20.52,212.81 v4(24.8,212.81) ; v4(55.9,213.51) 55.9,212.8 57.51,212.8 57.52,212.81 v4(61.8,212.81) ; v4(98.8,212.81) 94.52,212.81 94.51,212.8 92.9,212.8 v4(92.9,213.51) ; v4(129.9,213.51) 129.9,212.8 131.51,212.8 131.52,212.81 v4(135.8,212.81) ; v4(18.9,147.51) 18.9,146.8 20.51,146.8 20.52,146.81 v4(24.8,146.81) ; v4(98.8,146.81) 94.52,146.81 94.51,146.8 92.9,146.8 v4(92.9,147.51) ; v4(55.9,147.51) 55.9,146.8 57.51,146.8 57.52,146.81 v4(61.8,146.81) ; v4(129.9,147.51) 129.9,146.8 131.51,146.8 131.52,146.81 v4(135.8,146.81) ; v4(203.9,147.51) 203.9,146.8 205.51,146.8 205.52,146.81 v4(209.8,146.81) ; v4(172.8,146.81) 168.52,146.81 168.51,146.8 166.9,146.8 v4(166.9,147.51) ; v4(246.8,146.81) 242.52,146.81 242.51,146.8 240.9,146.8 v4(240.9,147.51) ; v4(277.9,147.51) 277.9,146.8 279.51,146.8 279.52,146.81 v4(283.8,146.81) ; v4(203.9,213.51) 203.9,212.8 205.51,212.8 205.52,212.81 v4(209.8,212.81) ; v4(172.8,212.81) 168.52,212.81 168.51,212.8 166.9,212.8 v4(166.9,213.51) ; v4(277.9,213.51) 277.9,212.8 279.51,212.8 279.52,212.81 v4(283.8,212.81) ; v4(246.8,212.81) 242.52,212.81 242.51,212.8 240.9,212.8 v4(240.9,213.51) ; v4(18.9,15.51) 18.9,14.8 20.51,14.8 20.52,14.81 v4(24.8,14.81)
